# KiCad board data-center-ddr5-tester.kicad_pcb (continued)
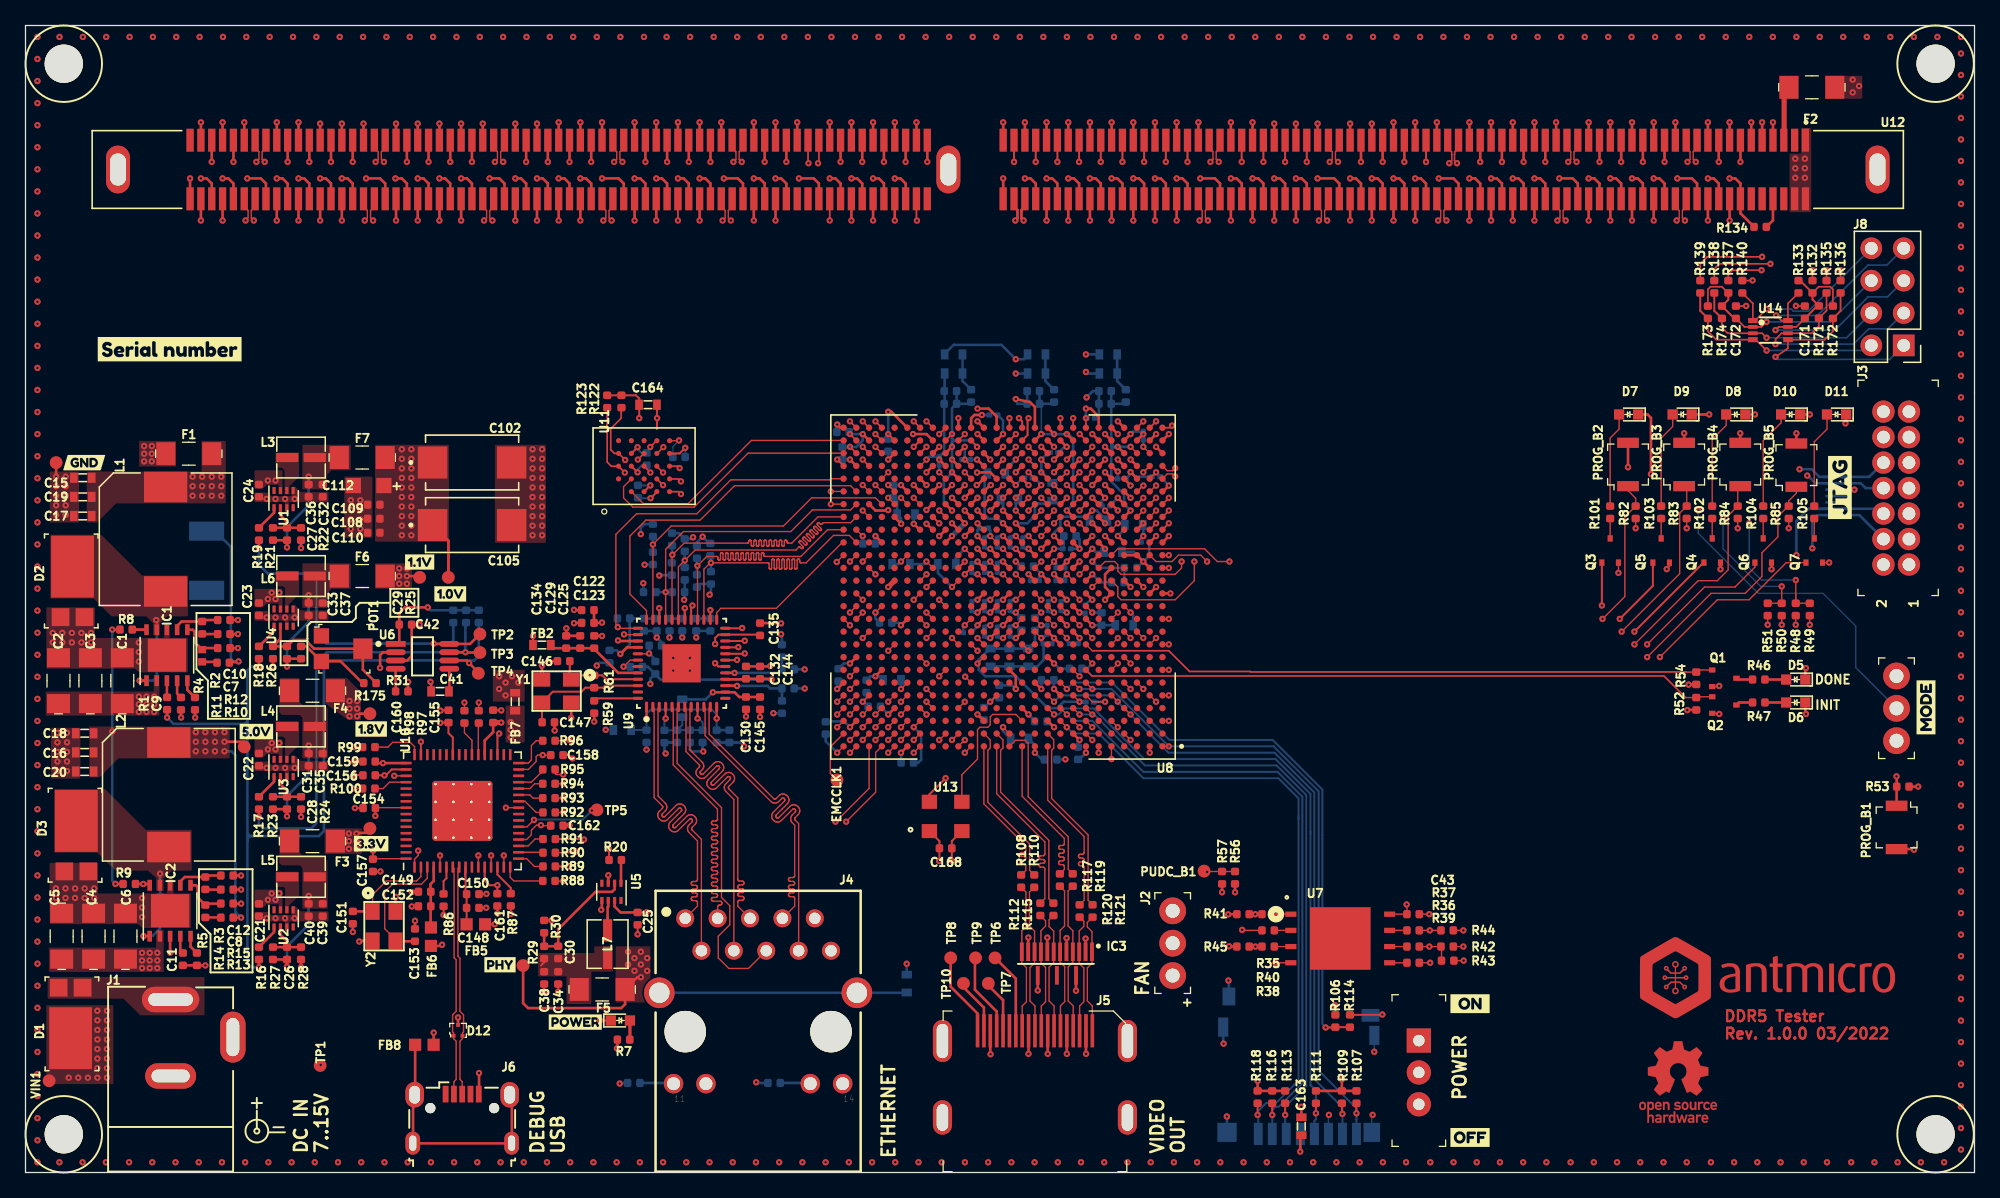
[diagram p0: board, top side]
## Routing (per net, layer and track width the routed paths; a pad name or vN(x,y) marks a point on that pad's centre or on a via; arc(x,y) is an arc through that point) (continued)
DQ11_B: length 61.5
  Top w0.2: U12.258 v1(38.4,74.7) ; U8.AA15 75.64,53.94 v1(75.68,53.94)
  In7.Cu w0.127: v1(38.4,74.7) 38.4,74.2 38.4,74.17 38.39,74.14 38.37,74.12 38.35,74.1 38.33,74.09 38.3,74.08 38.27,74.07 38.16,74.07 38.13,74.07 38.1,74.06 38.08,74.05 38.06,74.03 38.04,74 38.03,73.97 38.03,73.95 38.03,73.92 38.04,73.89 38.06,73.87 38.08,73.85 38.1,73.83 38.13,73.82 38.16,73.82 38.64,73.82 38.67,73.82 38.7,73.81 38.72,73.79 38.74,73.77 38.76,73.75 38.77,73.72 38.77,73.69 38.77,73.66 38.76,73.64 38.74,73.61 38.72,73.59 38.7,73.58 38.67,73.57 38.64,73.56 38.16,73.56 38.13,73.56 38.1,73.55 38.08,73.54 38.06,73.52 38.04,73.49 38.03,73.47 38.03,73.44 38.03,73.41 38.04,73.38 38.06,73.36 38.08,73.34 38.1,73.32 38.13,73.31 38.16,73.31 38.64,73.31 38.67,73.31 38.7,73.3 38.72,73.28 38.74,73.26 38.76,73.24 38.77,73.21 38.77,73.18 38.77,73.16 38.76,73.13 38.74,73.1 38.72,73.08 38.7,73.07 38.67,73.06 38.64,73.06 38.16,73.06 38.13,73.05 38.1,73.04 38.08,73.03 38.06,73.01 38.04,72.99 38.03,72.96 38.03,72.93 38.03,72.9 38.04,72.87 38.06,72.85 38.08,72.83 38.1,72.82 38.13,72.81 38.16,72.8 38.64,72.8 38.67,72.8 38.7,72.79 38.72,72.78 38.74,72.76 38.76,72.73 38.77,72.7 38.77,72.68 38.77,72.65 38.76,72.62 38.74,72.6 38.72,72.58 38.7,72.56 38.67,72.55 38.64,72.55 38.16,72.55 38.13,72.55 38.1,72.54 38.08,72.52 38.06,72.5 38.04,72.48 38.03,72.45 38.03,72.42 38.03,72.39 38.04,72.37 38.06,72.34 38.08,72.32 38.1,72.31 38.13,72.3 38.16,72.3 38.64,72.3 38.67,72.29 38.7,72.28 38.72,72.27 38.74,72.25 38.76,72.22 38.77,72.2 38.77,72.17 38.77,72.14 38.76,72.11 38.74,72.09 38.72,72.07 38.7,72.05 38.67,72.04 38.64,72.04 38.16,72.04 38.13,72.04 38.1,72.03 38.08,72.01 38.06,71.99 38.04,71.97 38.03,71.94 38.03,71.91 38.03,71.89 38.04,71.86 38.06,71.83 38.08,71.81 38.1,71.8 38.13,71.79 38.16,71.79 38.64,71.79 38.67,71.78 38.7,71.77 38.72,71.76 38.74,71.74 38.76,71.72 38.77,71.69 38.77,71.66 38.77,71.63 38.76,71.6 38.74,71.58 38.72,71.56 38.7,71.55 38.67,71.54 38.64,71.53 38.16,71.53 38.13,71.53 38.1,71.52 38.08,71.51 38.06,71.49 38.04,71.46 38.03,71.43 38.03,71.41 38.03,71.38 38.04,71.35 38.06,71.33 38.08,71.31 38.1,71.29 38.13,71.28 38.16,71.28 38.27,71.28 38.3,71.28 38.33,71.27 38.35,71.25 38.37,71.23 38.39,71.21 38.4,71.18 38.4,71.15 38.4,69.93 38.64,69.69 65.89,69.69 75.65,59.93 75.65,53.97 v1(75.68,53.94)
DQ12_A: length 72.7
  Top w0.127: U8.Y2 v3(88.64,52.94)
  Top w0.2: U12.25 v3(119.15,79.3)
  In5.Cu w0.127: v3(119.15,79.3) 119.15,78.85 119.15,78.82 119.14,78.79 119.12,78.77 119.1,78.75 119.08,78.74 119.05,78.73 119.02,78.72 118.88,78.72 118.86,78.72 118.83,78.71 118.81,78.7 118.79,78.68 118.77,78.65 118.76,78.62 118.76,78.6 118.76,78.57 118.77,78.54 118.79,78.52 118.81,78.5 118.83,78.48 118.86,78.47 118.88,78.47 119.42,78.47 119.44,78.47 119.47,78.46 119.49,78.44 119.51,78.42 119.53,78.4 119.54,78.37 119.54,78.34 119.54,78.31 119.53,78.29 119.51,78.26 119.49,78.24 119.47,78.23 119.44,78.22 119.42,78.22 118.88,78.22 118.86,78.21 118.83,78.2 118.81,78.19 118.79,78.17 118.77,78.14 118.76,78.12 118.76,78.09 118.76,78.06 118.77,78.03 118.79,78.01 118.81,77.99 118.83,77.97 118.86,77.96 118.88,77.96 119.42,77.96 119.44,77.96 119.47,77.95 119.49,77.93 119.51,77.91 119.53,77.89 119.54,77.86 119.54,77.83 119.54,77.81 119.53,77.78 119.51,77.75 119.49,77.73 119.47,77.72 119.44,77.71 119.42,77.71 118.88,77.71 118.86,77.7 118.83,77.69 118.81,77.68 118.79,77.66 118.77,77.64 118.76,77.61 118.76,77.58 118.76,77.55 118.77,77.52 118.79,77.5 118.81,77.48 118.83,77.47 118.86,77.46 118.88,77.45 119.42,77.45 119.44,77.45 119.47,77.44 119.49,77.43 119.51,77.41 119.53,77.38 119.54,77.35 119.54,77.33 119.54,77.3 119.53,77.27 119.51,77.25 119.49,77.23 119.47,77.21 119.44,77.2 119.42,77.2 118.88,77.2 118.86,77.2 118.83,77.19 118.81,77.17 118.79,77.15 118.77,77.13 118.76,77.1 118.76,77.07 118.76,77.04 118.77,77.02 118.79,76.99 118.81,76.97 118.83,76.96 118.86,76.95 118.88,76.94 119.42,76.94 119.44,76.94 119.47,76.93 119.49,76.92 119.51,76.9 119.53,76.87 119.54,76.85 119.54,76.82 119.54,76.79 119.53,76.76 119.51,76.74 119.49,76.72 119.47,76.7 119.44,76.69 119.42,76.69 118.88,76.69 118.86,76.69 118.83,76.68 118.81,76.66 118.79,76.64 118.77,76.62 118.76,76.59 118.76,76.56 118.76,76.54 118.77,76.51 118.79,76.48 118.81,76.46 118.83,76.45 118.86,76.44 118.88,76.44 119.42,76.44 119.44,76.43 119.47,76.42 119.49,76.41 119.51,76.39 119.53,76.37 119.54,76.34 119.54,76.31 119.54,76.28 119.53,76.25 119.51,76.23 119.49,76.21 119.47,76.2 119.44,76.19 119.42,76.18 118.88,76.18 118.86,76.18 118.83,76.17 118.81,76.16 118.79,76.14 118.77,76.11 118.76,76.08 118.76,76.06 118.76,76.03 118.77,76 118.79,75.98 118.81,75.96 118.83,75.94 118.86,75.93 118.88,75.93 119.42,75.93 119.44,75.93 119.47,75.92 119.49,75.9 119.51,75.88 119.53,75.86 119.54,75.83 119.54,75.8 119.54,75.77 119.53,75.75 119.51,75.72 119.49,75.7 119.47,75.69 119.44,75.68 119.42,75.67 118.88,75.67 118.86,75.67 118.83,75.66 118.81,75.65 118.79,75.63 118.77,75.6 118.76,75.58 118.76,75.55 118.76,75.52 118.77,75.49 118.79,75.47 118.81,75.45 118.83,75.43 118.86,75.42 118.88,75.42 119.42,75.42 119.44,75.42 119.47,75.41 119.49,75.39 119.51,75.37 119.53,75.35 119.54,75.32 119.54,75.29 119.54,75.27 119.53,75.24 119.51,75.21 119.49,75.19 119.47,75.18 119.44,75.17 119.42,75.17 118.88,75.17 118.86,75.16 118.83,75.15 118.81,75.14 118.79,75.12 118.77,75.1 118.76,75.07 118.76,75.04 118.76,75.01 118.77,74.98 118.79,74.96 118.81,74.94 118.83,74.93 118.86,74.92 118.88,74.91 119.42,74.91 119.44,74.91 119.47,74.9 119.49,74.89 119.51,74.87 119.53,74.84 119.54,74.81 119.54,74.79 119.54,74.76 119.53,74.73 119.51,74.71 119.49,74.69 119.47,74.67 119.44,74.66 119.42,74.66 118.88,74.66 118.86,74.66 118.83,74.65 118.81,74.63 118.79,74.61 118.77,74.59 118.76,74.56 118.76,74.53 118.76,74.5 118.77,74.48 118.79,74.45 118.81,74.43 118.83,74.42 118.86,74.41 118.88,74.41 119.42,74.41 119.44,74.4 119.47,74.39 119.49,74.38 119.51,74.36 119.53,74.33 119.54,74.31 119.54,74.28 119.54,74.25 119.53,74.22 119.51,74.2 119.49,74.18 119.47,74.16 119.44,74.15 119.42,74.15 118.88,74.15 118.86,74.15 118.83,74.14 118.81,74.12 118.79,74.1 118.77,74.08 118.76,74.05 118.76,74.02 118.76,74 118.77,73.97 118.79,73.94 118.81,73.92 118.83,73.91 118.86,73.9 118.88,73.9 119.42,73.9 119.44,73.89 119.47,73.88 119.49,73.87 119.51,73.85 119.53,73.83 119.54,73.8 119.54,73.77 119.54,73.74 119.53,73.71 119.51,73.69 119.49,73.67 119.47,73.66 119.44,73.65 119.42,73.64 118.88,73.64 118.86,73.64 118.83,73.63 118.81,73.62 118.79,73.6 118.77,73.57 118.76,73.54 118.76,73.52 118.76,73.49 118.77,73.46 118.79,73.44 118.81,73.42 118.83,73.4 118.86,73.39 118.88,73.39 119.42,73.39 119.44,73.39 119.47,73.38 119.49,73.36 119.51,73.34 119.53,73.32 119.54,73.29 119.54,73.26 119.54,73.23 119.53,73.21 119.51,73.18 119.49,73.16 119.47,73.15 119.44,73.14 119.42,73.13 118.88,73.13 118.86,73.13 118.83,73.12 118.81,73.11 118.79,73.09 118.77,73.06 118.76,73.04 118.76,73.01 118.76,72.98 118.77,72.95 118.79,72.93 118.81,72.91 118.83,72.89 118.86,72.88 118.88,72.88 119.42,72.88 119.44,72.88 119.47,72.87 119.49,72.85 119.51,72.83 119.53,72.81 119.54,72.78 119.54,72.75 119.54,72.73 119.53,72.7 119.51,72.67 119.49,72.65 119.47,72.64 119.44,72.63 119.42,72.63 118.88,72.63 118.86,72.62 118.83,72.61 118.81,72.6 118.79,72.58 118.77,72.56 118.76,72.53 118.76,72.5 118.76,72.47 118.77,72.44 118.79,72.42 118.81,72.4 118.83,72.39 118.86,72.38 118.88,72.37 119.42,72.37 119.44,72.37 119.47,72.36 119.49,72.35 119.51,72.33 119.53,72.3 119.54,72.27 119.54,72.25 119.54,72.22 119.53,72.19 119.51,72.17 119.49,72.15 119.47,72.13 119.44,72.12 119.42,72.12 118.88,72.12 118.86,72.12 118.83,72.11 118.81,72.09 118.79,72.07 118.77,72.05 118.76,72.02 118.76,71.99 118.76,71.96 118.77,71.94 118.79,71.91 118.81,71.89 118.83,71.88 118.86,71.87 118.88,71.86 119.42,71.86 119.44,71.86 119.47,71.85 119.49,71.84 119.51,71.82 119.53,71.79 119.54,71.77 119.54,71.74 119.54,71.71 119.53,71.68 119.51,71.66 119.49,71.64 119.47,71.62 119.44,71.61 119.42,71.61 119.28,71.61 119.25,71.61 119.22,71.6 119.2,71.58 119.18,71.56 119.16,71.54 119.15,71.51 119.15,71.48 119.15,63.65 111.25,55.75 89.96,55.75 89.51,55.31 89.51,54.56 89.09,54.14 89.09,53.39 v3(88.64,52.94)
DQ12_B: length 61.5
  Top w0.2: U12.118 v1(35,79.3) ; v1(74.6,54.92) 75.64,54.94 U8.AB14
  In7.Cu w0.127: v1(35,79.3) 35,78.9 35,78.87 34.99,78.84 34.97,78.82 34.95,78.8 34.93,78.79 34.9,78.78 34.87,78.77 34.8,78.77 34.77,78.77 34.74,78.76 34.72,78.75 34.7,78.73 34.68,78.7 34.67,78.67 34.67,78.65 34.67,78.62 34.68,78.59 34.7,78.57 34.72,78.55 34.74,78.53 34.77,78.52 34.8,78.52 35.2,78.52 35.23,78.52 35.26,78.51 35.28,78.49 35.3,78.47 35.32,78.45 35.33,78.42 35.33,78.39 35.33,78.36 35.32,78.34 35.3,78.31 35.28,78.29 35.26,78.28 35.23,78.27 35.2,78.27 35.13,78.27 35.1,78.26 35.07,78.25 35.05,78.24 35.03,78.22 35.01,78.19 35,78.17 35,78.14 35,68.33 35.64,67.69 63.39,67.69 73.14,57.94 73.14,56.39 v1(74.6,54.92)
DQ13_A: length 72.7
  Top w0.127: U8.Y3 v3(87.64,52.94)
  Top w0.2: U12.27 v3(117.45,79.3)
  In5.Cu w0.127: v3(117.45,79.3) 117.45,78.95 117.45,78.92 117.44,78.89 117.42,78.87 117.4,78.85 117.38,78.84 117.35,78.83 117.32,78.82 117.18,78.82 117.16,78.82 117.13,78.81 117.11,78.8 117.09,78.78 117.07,78.75 117.06,78.72 117.06,78.7 117.06,78.67 117.07,78.64 117.09,78.62 117.11,78.6 117.13,78.58 117.16,78.57 117.18,78.57 117.72,78.57 117.74,78.57 117.77,78.56 117.79,78.54 117.81,78.52 117.83,78.5 117.84,78.47 117.84,78.44 117.84,78.41 117.83,78.39 117.81,78.36 117.79,78.34 117.77,78.33 117.74,78.32 117.72,78.31 117.18,78.31 117.16,78.31 117.13,78.3 117.11,78.29 117.09,78.27 117.07,78.24 117.06,78.22 117.06,78.19 117.06,78.16 117.07,78.13 117.09,78.11 117.11,78.09 117.13,78.07 117.16,78.06 117.18,78.06 117.72,78.06 117.74,78.06 117.77,78.05 117.79,78.03 117.81,78.01 117.83,77.99 117.84,77.96 117.84,77.93 117.84,77.91 117.83,77.88 117.81,77.85 117.79,77.83 117.77,77.82 117.74,77.81 117.72,77.81 117.18,77.81 117.16,77.8 117.13,77.79 117.11,77.78 117.09,77.76 117.07,77.74 117.06,77.71 117.06,77.68 117.06,77.65 117.07,77.62 117.09,77.6 117.11,77.58 117.13,77.57 117.16,77.56 117.18,77.55 117.72,77.55 117.74,77.55 117.77,77.54 117.79,77.53 117.81,77.51 117.83,77.48 117.84,77.45 117.84,77.43 117.84,77.4 117.83,77.37 117.81,77.35 117.79,77.33 117.77,77.31 117.74,77.3 117.72,77.3 117.18,77.3 117.16,77.3 117.13,77.29 117.11,77.27 117.09,77.25 117.07,77.23 117.06,77.2 117.06,77.17 117.06,77.14 117.07,77.12 117.09,77.09 117.11,77.07 117.13,77.06 117.16,77.05 117.18,77.05 117.72,77.05 117.74,77.04 117.77,77.03 117.79,77.02 117.81,77 117.83,76.97 117.84,76.95 117.84,76.92 117.84,76.89 117.83,76.86 117.81,76.84 117.79,76.82 117.77,76.8 117.74,76.79 117.72,76.79 117.18,76.79 117.16,76.79 117.13,76.78 117.11,76.76 117.09,76.74 117.07,76.72 117.06,76.69 117.06,76.66 117.06,76.64 117.07,76.61 117.09,76.58 117.11,76.56 117.13,76.55 117.16,76.54 117.18,76.54 117.72,76.54 117.74,76.53 117.77,76.52 117.79,76.51 117.81,76.49 117.83,76.47 117.84,76.44 117.84,76.41 117.84,76.38 117.83,76.35 117.81,76.33 117.79,76.31 117.77,76.3 117.74,76.29 117.72,76.28 117.18,76.28 117.16,76.28 117.13,76.27 117.11,76.26 117.09,76.24 117.07,76.21 117.06,76.18 117.06,76.16 117.06,76.13 117.07,76.1 117.09,76.08 117.11,76.06 117.13,76.04 117.16,76.03 117.18,76.03 117.72,76.03 117.74,76.03 117.77,76.02 117.79,76 117.81,75.98 117.83,75.96 117.84,75.93 117.84,75.9 117.84,75.87 117.83,75.85 117.81,75.82 117.79,75.8 117.77,75.79 117.74,75.78 117.72,75.78 117.18,75.78 117.16,75.77 117.13,75.76 117.11,75.75 117.09,75.73 117.07,75.7 117.06,75.68 117.06,75.65 117.06,75.62 117.07,75.59 117.09,75.57 117.11,75.55 117.13,75.53 117.16,75.52 117.18,75.52 117.72,75.52 117.74,75.52 117.77,75.51 117.79,75.49 117.81,75.47 117.83,75.45 117.84,75.42 117.84,75.39 117.84,75.37 117.83,75.34 117.81,75.31 117.79,75.29 117.77,75.28 117.74,75.27 117.72,75.27 117.18,75.27 117.16,75.26 117.13,75.25 117.11,75.24 117.09,75.22 117.07,75.2 117.06,75.17 117.06,75.14 117.06,75.11 117.07,75.08 117.09,75.06 117.11,75.04 117.13,75.03 117.16,75.02 117.18,75.01 117.72,75.01 117.74,75.01 117.77,75 117.79,74.99 117.81,74.97 117.83,74.94 117.84,74.91 117.84,74.89 117.84,74.86 117.83,74.83 117.81,74.81 117.79,74.79 117.77,74.77 117.74,74.76 117.72,74.76 117.18,74.76 117.16,74.76 117.13,74.75 117.11,74.73 117.09,74.71 117.07,74.69 117.06,74.66 117.06,74.63 117.06,74.6 117.07,74.58 117.09,74.55 117.11,74.53 117.13,74.52 117.16,74.51 117.18,74.5 117.72,74.5 117.74,74.5 117.77,74.49 117.79,74.48 117.81,74.46 117.83,74.43 117.84,74.41 117.84,74.38 117.84,74.35 117.83,74.32 117.81,74.3 117.79,74.28 117.77,74.26 117.74,74.25 117.72,74.25 117.18,74.25 117.16,74.25 117.13,74.24 117.11,74.22 117.09,74.2 117.07,74.18 117.06,74.15 117.06,74.12 117.06,74.1 117.07,74.07 117.09,74.04 117.11,74.02 117.13,74.01 117.16,74 117.18,74 117.72,74 117.74,73.99 117.77,73.98 117.79,73.97 117.81,73.95 117.83,73.93 117.84,73.9 117.84,73.87 117.84,73.84 117.83,73.81 117.81,73.79 117.79,73.77 117.77,73.76 117.74,73.75 117.72,73.74 117.18,73.74 117.16,73.74 117.13,73.73 117.11,73.72 117.09,73.7 117.07,73.67 117.06,73.64 117.06,73.62 117.06,73.59 117.07,73.56 117.09,73.54 117.11,73.52 117.13,73.5 117.16,73.49 117.18,73.49 117.72,73.49 117.74,73.49 117.77,73.48 117.79,73.46 117.81,73.44 117.83,73.42 117.84,73.39 117.84,73.36 117.84,73.33 117.83,73.31 117.81,73.28 117.79,73.26 117.77,73.25 117.74,73.24 117.72,73.23 117.18,73.23 117.16,73.23 117.13,73.22 117.11,73.21 117.09,73.19 117.07,73.16 117.06,73.14 117.06,73.11 117.06,73.08 117.07,73.05 117.09,73.03 117.11,73.01 117.13,72.99 117.16,72.98 117.18,72.98 117.72,72.98 117.74,72.98 117.77,72.97 117.79,72.95 117.81,72.93 117.83,72.91 117.84,72.88 117.84,72.85 117.84,72.83 117.83,72.8 117.81,72.77 117.79,72.75 117.77,72.74 117.74,72.73 117.72,72.73 117.18,72.73 117.16,72.72 117.13,72.71 117.11,72.7 117.09,72.68 117.07,72.66 117.06,72.63 117.06,72.6 117.06,72.57 117.07,72.54 117.09,72.52 117.11,72.5 117.13,72.49 117.16,72.48 117.18,72.47 117.72,72.47 117.74,72.47 117.77,72.46 117.79,72.45 117.81,72.43 117.83,72.4 117.84,72.37 117.84,72.35 117.84,72.32 117.83,72.29 117.81,72.27 117.79,72.25 117.77,72.23 117.74,72.22 117.72,72.22 117.18,72.22 117.16,72.22 117.13,72.21 117.11,72.19 117.09,72.17 117.07,72.15 117.06,72.12 117.06,72.09 117.06,72.06 117.07,72.04 117.09,72.01 117.11,71.99 117.13,71.98 117.16,71.97 117.18,71.97 117.72,71.97 117.74,71.96 117.77,71.95 117.79,71.94 117.81,71.92 117.83,71.89 117.84,71.87 117.84,71.84 117.84,71.81 117.83,71.78 117.81,71.76 117.79,71.74 117.77,71.72 117.74,71.71 117.72,71.71 117.18,71.71 117.16,71.71 117.13,71.7 117.11,71.68 117.09,71.66 117.07,71.64 117.06,71.61 117.06,71.58 117.06,71.56 117.07,71.53 117.09,71.5 117.11,71.48 117.13,71.47 117.16,71.46 117.18,71.46 117.72,71.46 117.74,71.45 117.77,71.44 117.79,71.43 117.81,71.41 117.83,71.39 117.84,71.36 117.84,71.33 117.84,71.3 117.83,71.27 117.81,71.25 117.79,71.23 117.77,71.22 117.74,71.21 117.72,71.2 117.58,71.2 117.55,71.2 117.52,71.19 117.5,71.18 117.48,71.16 117.46,71.13 117.45,71.1 117.45,71.08 117.45,64.95 109.19,56.69 89.72,56.69 88.14,55.11 88.14,53.44 v3(87.64,52.94)
DQ13_B: length 61.5
  Top w0.2: U12.120 v1(33.3,79.3) ; U8.AA17 v1(73.64,53.94)
  In7.Cu w0.127: v1(73.64,53.94) 72.64,54.94 72.64,55.44 72.14,55.94 72.14,57.44 62.89,66.69 33.89,66.69 33.3,67.28 v1(33.3,79.3)
DQ14_A: length 72.7
  Top w0.127: U8.AB2 v3(88.64,54.94)
  Top w0.2: U12.170 v3(118.3,74.7)
  In5.Cu w0.127: v3(118.3,74.7) 118.3,71.2 118.3,71.17 118.29,71.14 118.27,71.12 118.25,71.1 118.23,71.09 118.2,71.08 118.17,71.07 118.03,71.07 118,71.07 117.98,71.06 117.95,71.05 117.93,71.03 117.92,71 117.91,70.97 117.9,70.95 117.91,70.92 117.92,70.89 117.93,70.87 117.95,70.85 117.98,70.83 118,70.82 118.03,70.82 118.57,70.82 118.6,70.82 118.62,70.81 118.65,70.79 118.67,70.77 118.68,70.75 118.69,70.72 118.7,70.69 118.69,70.66 118.68,70.64 118.67,70.61 118.65,70.59 118.62,70.58 118.6,70.57 118.57,70.56 118.03,70.56 118,70.56 117.98,70.55 117.95,70.54 117.93,70.52 117.92,70.49 117.91,70.47 117.9,70.44 117.91,70.41 117.92,70.38 117.93,70.36 117.95,70.34 117.98,70.32 118,70.31 118.03,70.31 118.57,70.31 118.6,70.31 118.62,70.3 118.65,70.28 118.67,70.26 118.68,70.24 118.69,70.21 118.7,70.18 118.69,70.16 118.68,70.13 118.67,70.1 118.65,70.08 118.62,70.07 118.6,70.06 118.57,70.06 118.03,70.06 118,70.05 117.98,70.04 117.95,70.03 117.93,70.01 117.92,69.99 117.91,69.96 117.9,69.93 117.91,69.9 117.92,69.87 117.93,69.85 117.95,69.83 117.98,69.82 118,69.81 118.03,69.8 118.57,69.8 118.6,69.8 118.62,69.79 118.65,69.78 118.67,69.76 118.68,69.73 118.69,69.7 118.7,69.68 118.69,69.65 118.68,69.62 118.67,69.6 118.65,69.58 118.62,69.56 118.6,69.55 118.57,69.55 118.03,69.55 118,69.55 117.98,69.54 117.95,69.52 117.93,69.5 117.92,69.48 117.91,69.45 117.9,69.42 117.91,69.39 117.92,69.37 117.93,69.34 117.95,69.32 117.98,69.31 118,69.3 118.03,69.3 118.57,69.3 118.6,69.29 118.62,69.28 118.65,69.27 118.67,69.25 118.68,69.22 118.69,69.2 118.7,69.17 118.69,69.14 118.68,69.11 118.67,69.09 118.65,69.07 118.62,69.05 118.6,69.04 118.57,69.04 118.03,69.04 118,69.04 117.98,69.03 117.95,69.01 117.93,68.99 117.92,68.97 117.91,68.94 117.9,68.91 117.91,68.89 117.92,68.86 117.93,68.83 117.95,68.81 117.98,68.8 118,68.79 118.03,68.79 118.57,68.79 118.6,68.78 118.62,68.77 118.65,68.76 118.67,68.74 118.68,68.72 118.69,68.69 118.7,68.66 118.69,68.63 118.68,68.6 118.67,68.58 118.65,68.56 118.62,68.55 118.6,68.54 118.57,68.53 118.03,68.53 118,68.53 117.98,68.52 117.95,68.51 117.93,68.49 117.92,68.46 117.91,68.43 117.9,68.41 117.91,68.38 117.92,68.35 117.93,68.33 117.95,68.31 117.98,68.29 118,68.28 118.03,68.28 118.57,68.28 118.6,68.28 118.62,68.27 118.65,68.25 118.67,68.23 118.68,68.21 118.69,68.18 118.7,68.15 118.69,68.12 118.68,68.1 118.67,68.07 118.65,68.05 118.62,68.04 118.6,68.03 118.57,68.03 118.03,68.03 118,68.02 117.98,68.01 117.95,68 117.93,67.98 117.92,67.95 117.91,67.93 117.9,67.9 117.91,67.87 117.92,67.84 117.93,67.82 117.95,67.8 117.98,67.78 118,67.77 118.03,67.77 118.57,67.77 118.6,67.77 118.62,67.76 118.65,67.74 118.67,67.72 118.68,67.7 118.69,67.67 118.7,67.64 118.69,67.62 118.68,67.59 118.67,67.56 118.65,67.54 118.62,67.53 118.6,67.52 118.57,67.52 118.03,67.52 118,67.51 117.98,67.5 117.95,67.49 117.93,67.47 117.92,67.45 117.91,67.42 117.9,67.39 117.91,67.36 117.92,67.33 117.93,67.31 117.95,67.29 117.98,67.28 118,67.27 118.03,67.26 118.57,67.26 118.6,67.26 118.62,67.25 118.65,67.24 118.67,67.22 118.68,67.19 118.69,67.16 118.7,67.14 118.69,67.11 118.68,67.08 118.67,67.06 118.65,67.04 118.62,67.02 118.6,67.01 118.57,67.01 118.03,67.01 118,67.01 117.98,67 117.95,66.98 117.93,66.96 117.92,66.94 117.91,66.91 117.9,66.88 117.91,66.85 117.92,66.83 117.93,66.8 117.95,66.78 117.98,66.77 118,66.76 118.03,66.75 118.57,66.75 118.6,66.75 118.62,66.74 118.65,66.73 118.67,66.71 118.68,66.68 118.69,66.66 118.7,66.63 118.69,66.6 118.68,66.57 118.67,66.55 118.65,66.53 118.62,66.51 118.6,66.5 118.57,66.5 118.03,66.5 118,66.5 117.98,66.49 117.95,66.47 117.93,66.45 117.92,66.43 117.91,66.4 117.9,66.37 117.91,66.35 117.92,66.32 117.93,66.29 117.95,66.27 117.98,66.26 118,66.25 118.03,66.25 118.57,66.25 118.6,66.24 118.62,66.23 118.65,66.22 118.67,66.2 118.68,66.18 118.69,66.15 118.7,66.12 118.69,66.09 118.68,66.06 118.67,66.04 118.65,66.02 118.62,66.01 118.6,66 118.57,65.99 118.03,65.99 118,65.99 117.98,65.98 117.95,65.97 117.93,65.95 117.92,65.92 117.91,65.89 117.9,65.87 117.91,65.84 117.92,65.81 117.93,65.79 117.95,65.77 117.98,65.75 118,65.74 118.03,65.74 118.57,65.74 118.6,65.74 118.62,65.73 118.65,65.71 118.67,65.69 118.68,65.67 118.69,65.64 118.7,65.61 118.69,65.58 118.68,65.56 118.67,65.53 118.65,65.51 118.62,65.5 118.6,65.49 118.57,65.48 118.03,65.48 118,65.48 117.98,65.47 117.95,65.46 117.93,65.44 117.92,65.41 117.91,65.39 117.9,65.36 117.91,65.33 117.92,65.3 117.93,65.28 117.95,65.26 117.98,65.24 118,65.23 118.03,65.23 118.57,65.23 118.6,65.23 118.62,65.22 118.65,65.2 118.67,65.18 118.68,65.16 118.69,65.13 118.7,65.1 118.69,65.08 118.68,65.05 118.67,65.02 118.65,65 118.62,64.99 118.6,64.98 118.57,64.98 118.03,64.98 118,64.97 117.98,64.96 117.95,64.95 117.93,64.93 117.92,64.91 117.91,64.88 117.9,64.85 117.91,64.82 117.92,64.79 117.93,64.77 117.95,64.75 117.98,64.74 118,64.73 118.03,64.72 118.17,64.72 118.2,64.72 118.23,64.71 118.25,64.7 118.27,64.68 118.29,64.65 118.3,64.62 118.3,64.6 118.3,64.3 118.28,64.28 118.25,64.27 118.22,64.26 118.2,64.26 118.17,64.27 118.14,64.28 118.12,64.3 118.02,64.4 118,64.42 117.97,64.43 117.95,64.44 117.92,64.44 117.89,64.43 117.86,64.42 117.84,64.4 117.82,64.38 117.81,64.35 117.8,64.32 117.8,64.3 117.81,64.27 117.82,64.24 117.84,64.22 118.22,63.84 118.24,63.82 118.25,63.79 118.26,63.77 118.26,63.74 118.25,63.71 118.24,63.68 118.22,63.66 118.2,63.64 118.17,63.63 118.14,63.63 118.12,63.63 118.09,63.63 118.06,63.64 118.04,63.66 117.66,64.04 117.64,64.06 117.61,64.07 117.59,64.08 117.56,64.08 117.53,64.07 117.5,64.06 117.48,64.04 117.46,64.02 117.45,63.99 117.45,63.96 117.45,63.94 117.45,63.91 117.46,63.88 117.48,63.86 117.86,63.48 117.88,63.46 117.89,63.43 117.9,63.41 117.9,63.38 117.89,63.35 117.88,63.32 117.86,63.3 117.84,63.28 117.81,63.27 117.79,63.27 117.76,63.27 117.73,63.27 117.7,63.28 117.68,63.3 117.3,63.68 117.28,63.7 117.25,63.71 117.23,63.72 117.2,63.72 117.17,63.71 117.14,63.7 117.12,63.68 117.1,63.66 117.09,63.63 117.09,63.61 117.09,63.58 117.09,63.55 117.1,63.52 117.12,63.5 117.5,63.12 117.52,63.1 117.53,63.07 117.54,63.05 117.54,63.02 117.53,62.99 117.52,62.97 117.5,62.94 117.48,62.93 117.45,62.91 117.43,62.91 117.4,62.91 117.37,62.91 117.34,62.93 117.32,62.94 116.94,63.32 116.92,63.34 116.9,63.35 116.87,63.36 116.84,63.36 116.81,63.35 116.79,63.34 116.76,63.32 116.75,63.3 116.73,63.27 116.73,63.25 116.73,63.22 116.73,63.19 116.75,63.16 116.76,63.14 117.14,62.76 117.16,62.74 117.17,62.72 117.18,62.69 117.18,62.66 117.17,62.63 117.16,62.61 117.14,62.58 117.12,62.57 117.09,62.55 117.07,62.55 117.04,62.55 117.01,62.55 116.99,62.57 116.96,62.58 116.58,62.96 116.56,62.98 116.54,62.99 116.51,63 116.48,63 116.45,62.99 116.43,62.98 116.4,62.96 116.39,62.94 116.37,62.92 116.37,62.89 116.37,62.86 116.37,62.83 116.39,62.81 116.4,62.78 116.78,62.4 116.8,62.38 116.81,62.36 116.82,62.33 116.82,62.3 116.81,62.27 116.8,62.25 116.78,62.22 116.76,62.21 116.74,62.19 116.71,62.19 116.68,62.19 116.65,62.19 116.63,62.21 116.6,62.22 116.22,62.6 116.2,62.62 116.18,62.63 116.15,62.64 116.12,62.64 116.09,62.63 116.07,62.62 116.05,62.6 116.03,62.58 116.01,62.56 116.01,62.53 116.01,62.5 116.01,62.47 116.03,62.45 116.05,62.42 116.42,62.05 116.44,62.02 116.45,62 116.46,61.97 116.46,61.94 116.45,61.91 116.44,61.89 116.42,61.87 116.4,61.85 116.38,61.84 116.35,61.83 116.32,61.83 116.29,61.84 116.27,61.85 116.24,61.87 115.87,62.24 115.84,62.26 115.82,62.27 115.79,62.28 115.76,62.28 115.73,62.27 115.71,62.26 115.69,62.24 115.67,62.22 115.66,62.2 115.65,62.17 115.65,62.14 115.66,62.11 115.67,62.09 115.69,62.06 116.06,61.69 116.08,61.66 116.09,61.64 116.1,61.61 116.1,61.58 116.09,61.55 116.08,61.53 116.06,61.51 116.04,61.49 116.02,61.48 115.99,61.47 115.96,61.47 115.93,61.48 115.91,61.49 115.89,61.51 115.79,61.61 115.76,61.62 115.74,61.64 115.71,61.64 115.68,61.64 115.65,61.64 115.63,61.62 115.61,61.61 110.25,56.25 89.95,56.25 v3(88.64,54.94)
DQ14_B: length 61.5
  Top w0.2: U12.263 v1(34.15,74.7) ; U8.AB15 74.64,53.94 v1(74.57,53.94)
  In7.Cu w0.127: v1(34.15,74.7) 34.15,74.15 34.15,74.12 34.14,74.09 34.12,74.07 34.1,74.05 34.08,74.04 34.05,74.03 34.02,74.02 33.92,74.02 33.89,74.02 33.86,74.01 33.84,74 33.82,73.98 33.8,73.95 33.79,73.92 33.79,73.9 33.79,73.87 33.8,73.84 33.82,73.82 33.84,73.8 33.86,73.78 33.89,73.77 33.92,73.77 34.38,73.77 34.41,73.77 34.44,73.76 34.46,73.74 34.48,73.72 34.5,73.7 34.51,73.67 34.51,73.64 34.51,73.61 34.5,73.59 34.48,73.56 34.46,73.54 34.44,73.53 34.41,73.52 34.38,73.52 33.92,73.52 33.89,73.51 33.86,73.5 33.84,73.49 33.82,73.47 33.8,73.44 33.79,73.42 33.79,73.39 33.79,73.36 33.8,73.33 33.82,73.31 33.84,73.29 33.86,73.27 33.89,73.26 33.92,73.26 34.38,73.26 34.41,73.26 34.44,73.25 34.46,73.23 34.48,73.21 34.5,73.19 34.51,73.16 34.51,73.13 34.51,73.11 34.5,73.08 34.48,73.05 34.46,73.03 34.44,73.02 34.41,73.01 34.38,73.01 33.92,73.01 33.89,73 33.86,72.99 33.84,72.98 33.82,72.96 33.8,72.94 33.79,72.91 33.79,72.88 33.79,72.85 33.8,72.82 33.82,72.8 33.84,72.78 33.86,72.77 33.89,72.76 33.92,72.75 34.38,72.75 34.41,72.75 34.44,72.74 34.46,72.73 34.48,72.71 34.5,72.68 34.51,72.65 34.51,72.63 34.51,72.6 34.5,72.57 34.48,72.55 34.46,72.53 34.44,72.51 34.41,72.5 34.38,72.5 33.92,72.5 33.89,72.5 33.86,72.49 33.84,72.47 33.82,72.45 33.8,72.43 33.79,72.4 33.79,72.37 33.79,72.34 33.8,72.32 33.82,72.29 33.84,72.27 33.86,72.26 33.89,72.25 33.92,72.25 34.38,72.25 34.41,72.24 34.44,72.23 34.46,72.22 34.48,72.2 34.5,72.17 34.51,72.15 34.51,72.12 34.51,72.09 34.5,72.06 34.48,72.04 34.46,72.02 34.44,72 34.41,71.99 34.38,71.99 34.28,71.99 34.25,71.99 34.22,71.98 34.2,71.96 34.18,71.94 34.16,71.92 34.15,71.89 34.15,71.86 34.15,67.68 34.64,67.19 63.14,67.19 72.64,57.69 72.64,56.19 73.14,55.69 73.14,55.38 v1(74.57,53.94)
DQ15_A: length 72.7
  Top w0.127: U8.AC2 v3(87.64,54.94)
  Top w0.2: U12.172 v3(116.6,74.7)
  In5.Cu w0.127: v3(87.64,54.94) 87.64,55.06 89.76,57.19 108.19,57.19 112.58,61.58 112.6,61.6 112.61,61.63 112.61,61.65 112.61,61.68 112.61,61.71 112.6,61.74 112.58,61.76 112.48,61.86 112.46,61.88 112.45,61.91 112.44,61.93 112.44,61.96 112.45,61.99 112.46,62.01 112.48,62.04 112.5,62.05 112.53,62.07 112.55,62.07 112.58,62.07 112.61,62.07 112.64,62.05 112.66,62.04 113.04,61.66 113.06,61.64 113.09,61.63 113.11,61.62 113.14,61.62 113.17,61.63 113.19,61.64 113.22,61.66 113.23,61.68 113.25,61.71 113.25,61.73 113.25,61.76 113.25,61.79 113.23,61.81 113.22,61.84 112.84,62.22 112.82,62.24 112.81,62.26 112.8,62.29 112.8,62.32 112.81,62.35 112.82,62.37 112.84,62.4 112.86,62.41 112.89,62.43 112.91,62.43 112.94,62.43 112.97,62.43 112.99,62.41 113.02,62.4 113.4,62.02 113.42,62 113.44,61.99 113.47,61.98 113.5,61.98 113.53,61.99 113.55,62 113.58,62.02 113.59,62.04 113.61,62.06 113.61,62.09 113.61,62.12 113.61,62.15 113.59,62.17 113.58,62.2 113.2,62.58 113.18,62.6 113.17,62.62 113.16,62.65 113.16,62.68 113.17,62.71 113.18,62.73 113.2,62.76 113.22,62.77 113.24,62.79 113.27,62.79 113.3,62.79 113.33,62.79 113.35,62.77 113.38,62.76 113.76,62.38 113.78,62.36 113.8,62.35 113.83,62.34 113.86,62.34 113.89,62.35 113.91,62.36 113.94,62.38 113.95,62.4 113.97,62.42 113.97,62.45 113.97,62.48 113.97,62.51 113.95,62.53 113.94,62.56 113.56,62.94 113.54,62.96 113.53,62.98 113.52,63.01 113.52,63.04 113.53,63.07 113.54,63.09 113.56,63.11 113.58,63.13 113.6,63.14 113.63,63.15 113.66,63.15 113.69,63.14 113.71,63.13 113.74,63.11 114.11,62.74 114.14,62.72 114.16,62.71 114.19,62.7 114.22,62.7 114.25,62.71 114.27,62.72 114.29,62.74 114.31,62.76 114.32,62.78 114.33,62.81 114.33,62.84 114.32,62.87 114.31,62.89 114.29,62.91 113.91,63.29 113.9,63.32 113.88,63.34 113.88,63.37 113.88,63.4 113.88,63.43 113.9,63.45 113.91,63.47 113.94,63.49 113.96,63.5 113.99,63.51 114.02,63.51 114.05,63.5 114.07,63.49 114.09,63.47 114.47,63.09 114.5,63.08 114.52,63.06 114.55,63.06 114.58,63.06 114.61,63.06 114.63,63.08 114.65,63.09 114.67,63.12 114.68,63.14 114.69,63.17 114.69,63.2 114.68,63.23 114.67,63.25 114.65,63.27 114.27,63.65 114.26,63.68 114.24,63.7 114.24,63.73 114.24,63.76 114.24,63.79 114.26,63.81 114.27,63.83 114.3,63.85 114.32,63.86 114.35,63.87 114.38,63.87 114.41,63.86 114.43,63.85 114.45,63.83 114.83,63.45 114.86,63.44 114.88,63.42 114.91,63.42 114.94,63.42 114.96,63.42 114.99,63.44 115.01,63.45 115.03,63.48 115.04,63.5 115.05,63.53 115.05,63.56 115.04,63.59 115.03,63.61 115.01,63.63 114.63,64.01 114.62,64.04 114.6,64.06 114.6,64.09 114.6,64.12 114.6,64.14 114.62,64.17 114.63,64.19 114.66,64.21 114.68,64.22 114.71,64.23 114.74,64.23 114.77,64.22 114.79,64.21 114.81,64.19 115.19,63.81 115.21,63.8 115.24,63.78 115.27,63.78 115.3,63.78 115.32,63.78 115.35,63.8 115.37,63.81 115.39,63.84 115.4,63.86 115.41,63.89 115.41,63.92 115.4,63.94 115.39,63.97 115.37,63.99 114.99,64.37 114.97,64.39 114.96,64.42 114.96,64.45 114.96,64.48 114.96,64.5 114.97,64.53 114.99,64.55 115.01,64.57 115.04,64.58 115.07,64.59 115.1,64.59 115.12,64.58 115.15,64.57 115.17,64.55 115.55,64.17 115.57,64.15 115.6,64.14 115.63,64.14 115.66,64.14 115.68,64.14 115.71,64.15 115.73,64.17 115.75,64.19 115.76,64.22 115.77,64.25 115.77,64.28 115.76,64.3 115.75,64.33 115.73,64.35 115.35,64.73 115.33,64.75 115.32,64.78 115.32,64.81 115.32,64.84 115.32,64.86 115.33,64.89 115.35,64.91 115.37,64.93 115.4,64.94 115.43,64.95 115.46,64.95 115.48,64.94 115.51,64.93 115.53,64.91 115.91,64.53 115.93,64.51 115.96,64.5 115.99,64.49 116.01,64.49 116.04,64.5 116.07,64.51 116.09,64.53 116.11,64.55 116.12,64.58 116.13,64.61 116.13,64.64 116.12,64.66 116.11,64.69 116.09,64.71 115.71,65.09 115.69,65.11 115.68,65.14 115.67,65.17 115.67,65.19 115.68,65.22 115.69,65.25 115.71,65.27 115.73,65.29 115.76,65.3 115.79,65.31 115.81,65.31 115.84,65.3 115.87,65.29 115.89,65.27 116.27,64.89 116.29,64.87 116.32,64.86 116.35,64.85 116.37,64.85 116.4,64.86 116.43,64.87 116.45,64.89 116.47,64.91 116.48,64.94 116.49,64.97 116.49,64.99 116.48,65.02 116.47,65.05 116.45,65.07 116.07,65.45 116.05,65.47 116.04,65.5 116.03,65.53 116.03,65.55 116.04,65.58 116.05,65.61 116.07,65.63 116.09,65.65 116.12,65.66 116.15,65.67 116.17,65.67 116.2,65.66 116.23,65.65 116.25,65.63 116.35,65.53 116.37,65.51 116.4,65.5 116.43,65.49 116.45,65.49 116.48,65.5 116.51,65.51 116.53,65.53 116.6,65.6 116.6,65.77 116.6,65.79 116.61,65.82 116.63,65.85 116.65,65.87 116.67,65.88 116.7,65.89 116.73,65.89 116.87,65.89 116.9,65.9 116.92,65.91 116.95,65.92 116.97,65.94 116.98,65.96 116.99,65.99 117,66.02 116.99,66.05 116.98,66.08 116.97,66.1 116.95,66.12 116.92,66.13 116.9,66.14 116.87,66.15 116.33,66.15 116.3,66.15 116.28,66.16 116.25,66.17 116.23,66.19 116.22,66.22 116.21,66.25 116.2,66.27 116.21,66.3 116.22,66.33 116.23,66.35 116.25,66.37 116.28,66.39 116.3,66.4 116.33,66.4 116.87,66.4 116.9,66.4 116.92,66.41 116.95,66.43 116.97,66.45 116.98,66.47 116.99,66.5 117,66.53 116.99,66.56 116.98,66.58 116.97,66.61 116.95,66.63 116.92,66.64 116.9,66.65 116.87,66.66 116.33,66.66 116.3,66.66 116.28,66.67 116.25,66.68 116.23,66.7 116.22,66.73 116.21,66.75 116.2,66.78 116.21,66.81 116.22,66.84 116.23,66.86 116.25,66.88 116.28,66.9 116.3,66.91 116.33,66.91 116.87,66.91 116.9,66.91 116.92,66.92 116.95,66.94 116.97,66.96 116.98,66.98 116.99,67.01 117,67.04 116.99,67.06 116.98,67.09 116.97,67.12 116.95,67.14 116.92,67.15 116.9,67.16 116.87,67.16 116.33,67.16 116.3,67.17 116.28,67.18 116.25,67.19 116.23,67.21 116.22,67.23 116.21,67.26 116.2,67.29 116.21,67.32 116.22,67.35 116.23,67.37 116.25,67.39 116.28,67.4 116.3,67.41 116.33,67.42 116.87,67.42 116.9,67.42 116.92,67.43 116.95,67.44 116.97,67.46 116.98,67.49 116.99,67.52 117,67.54 116.99,67.57 116.98,67.6 116.97,67.62 116.95,67.64 116.92,67.66 116.9,67.67 116.87,67.67 116.33,67.67 116.3,67.67 116.28,67.68 116.25,67.7 116.23,67.72 116.22,67.74 116.21,67.77 116.2,67.8 116.21,67.83 116.22,67.85 116.23,67.88 116.25,67.9 116.28,67.91 116.3,67.92 116.33,67.92 116.87,67.92 116.9,67.93 116.92,67.94 116.95,67.95 116.97,67.97 116.98,68 116.99,68.02 117,68.05 116.99,68.08 116.98,68.11 116.97,68.13 116.95,68.15 116.92,68.17 116.9,68.18 116.87,68.18 116.33,68.18 116.3,68.18 116.28,68.19 116.25,68.21 116.23,68.23 116.22,68.25 116.21,68.28 116.2,68.31 116.21,68.33 116.22,68.36 116.23,68.39 116.25,68.41 116.28,68.42 116.3,68.43 116.33,68.43 116.87,68.43 116.9,68.44 116.92,68.45 116.95,68.46 116.97,68.48 116.98,68.5 116.99,68.53 117,68.56 116.99,68.59 116.98,68.62 116.97,68.64 116.95,68.66 116.92,68.67 116.9,68.68 116.87,68.69 116.33,68.69 116.3,68.69 116.28,68.7 116.25,68.71 116.23,68.73 116.22,68.76 116.21,68.79 116.2,68.81 116.21,68.84 116.22,68.87 116.23,68.89 116.25,68.91 116.28,68.93 116.3,68.94 116.33,68.94 116.87,68.94 116.9,68.94 116.92,68.95 116.95,68.97 116.97,68.99 116.98,69.01 116.99,69.04 117,69.07 116.99,69.1 116.98,69.12 116.97,69.15 116.95,69.17 116.92,69.18 116.9,69.19 116.87,69.19 116.33,69.19 116.3,69.2 116.28,69.21 116.25,69.22 116.23,69.24 116.22,69.27 116.21,69.29 116.2,69.32 116.21,69.35 116.22,69.38 116.23,69.4 116.25,69.42 116.28,69.44 116.3,69.45 116.33,69.45 116.87,69.45 116.9,69.45 116.92,69.46 116.95,69.48 116.97,69.5 116.98,69.52 116.99,69.55 117,69.58 116.99,69.6 116.98,69.63 116.97,69.66 116.95,69.68 116.92,69.69 116.9,69.7 116.87,69.7 116.33,69.7 116.3,69.71 116.28,69.72 116.25,69.73 116.23,69.75 116.22,69.77 116.21,69.8 116.2,69.83 116.21,69.86 116.22,69.89 116.23,69.91 116.25,69.93 116.28,69.94 116.3,69.95 116.33,69.96 116.87,69.96 116.9,69.96 116.92,69.97 116.95,69.98 116.97,70 116.98,70.03 116.99,70.06 117,70.08 116.99,70.11 116.98,70.14 116.97,70.16 116.95,70.18 116.92,70.2 116.9,70.21 116.87,70.21 116.33,70.21 116.3,70.21 116.28,70.22 116.25,70.24 116.23,70.26 116.22,70.28 116.21,70.31 116.2,70.34 116.21,70.37 116.22,70.39 116.23,70.42 116.25,70.44 116.28,70.45 116.3,70.46 116.33,70.47 116.87,70.47 116.9,70.47 116.92,70.48 116.95,70.49 116.97,70.51 116.98,70.54 116.99,70.56 117,70.59 116.99,70.62 116.98,70.65 116.97,70.67 116.95,70.69 116.92,70.71 116.9,70.72 116.87,70.72 116.33,70.72 116.3,70.72 116.28,70.73 116.25,70.75 116.23,70.77 116.22,70.79 116.21,70.82 116.2,70.85 116.21,70.87 116.22,70.9 116.23,70.93 116.25,70.95 116.28,70.96 116.3,70.97 116.33,70.97 116.47,70.97 116.5,70.98 116.53,70.99 116.55,71 116.57,71.02 116.59,71.04 116.6,71.07 116.6,71.1 v3(116.6,74.7)